# Altium PCB miniBackplane.PcbDoc (part 3 of 24)
Units mil, origin at the board's own origin, x right, y up, seen from the top; angles counter-clockwise.
Board outline 17285.63 x 8582.68 mil, 6 copper layers (Top Layer, Mid-Layer 1, GND, PWR, Mid-Layer 2, Bottom Layer), stack 62.362 mil thick; 519 components, 474 nets, 2434 pads, 1493 vias.
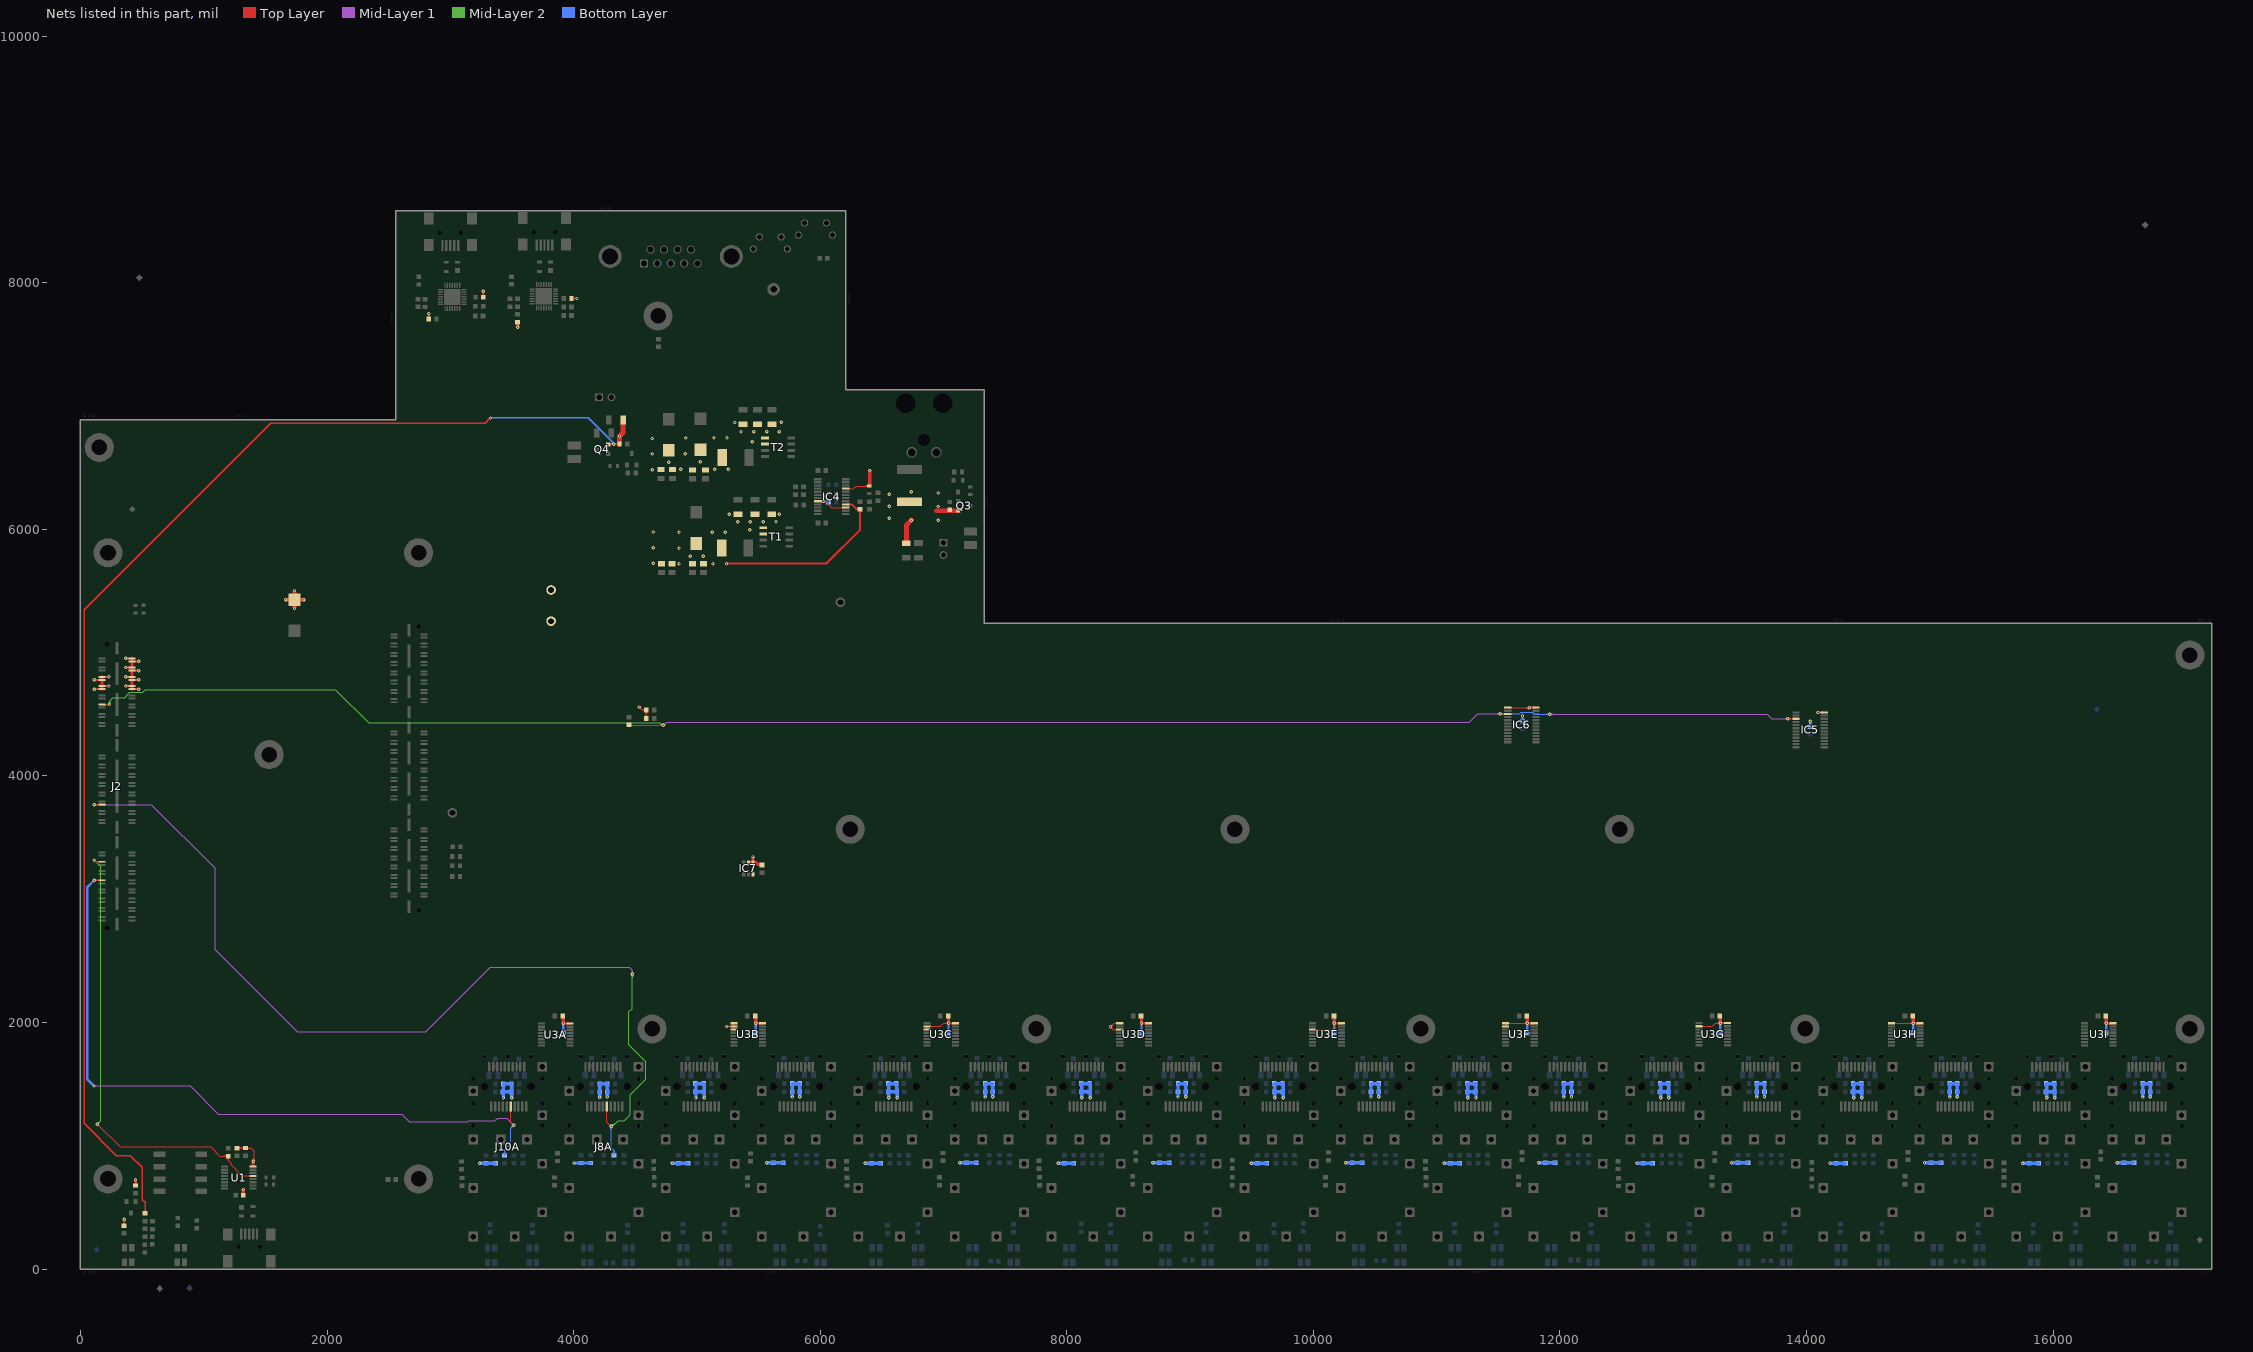
[diagram p7: the nets of this part, all layers, seen from the top]

## Via types
v1: diameter 27.56, hole 11.81, Top Layer to Bottom Layer, tented both sides, 1347 vias
v2: diameter 23.62, hole 11.81, Top Layer to Bottom Layer, tented both sides, 146 vias

## Nets (pads, with @x,y where several pads share a name; then routed paths per layer and width w, separated by ;. In a path a pad name is that pad's centre, name@x,y a point inside that pad or via, vN(x,y) a via of type N, cw(c..) or ccw(c..) an arc to the next point about the centre after c; other vN are vias at no path point) (continued)
+3V3: C1.2 C2.2 C5A.1 C5B.1 C5C.1 C5D.1 C5E.1 C5F.1 C5G.1 C5H.1 C5I.1 C7A.1 C7B.1 C7C.1 C7D.1 C7E.1 C7F.1 C7G.1 C7H.1 C7I.1 C9A.1 C9B.1 C9C.1 C9D.1 C9E.1 C9F.1 C9G.1 C9H.1 C9I.1 C12A.1 C12B.1 C12C.1 C12D.1 C12E.1 C12F.1 C12G.1 C12H.1 C12I.1 C14A.1 C14B.1 C14C.1 C14D.1 C14E.1 C14F.1 C14G.1 C14H.1 C14I.1 C34.2 C35.1 C36.1 C37.1 C39.1 C40.1 C55.2 C58.1 IC4.9 IC5.24 IC6.1 IC6.24 IC7.3 IC7.4 IC7.5 L1A.2 L1B.2 L1C.2 L1D.2 L1E.2 L1F.2 L1G.2 L1H.2 L1I.2 L2A.2 L2B.2 L2C.2 L2D.2 L2E.2 L2F.2 L2G.2 L2H.2 L2I.2 L3A.2 L3B.2 L3C.2 L3D.2 L3E.2 L3F.2 L3G.2 L3H.2 L3I.2 L4A.2 L4B.2 L4C.2 L4D.2 L4E.2 L4F.2 L4G.2 L4H.2 L4I.2 L6.2 pad.@3818,5255 R3.1 R6.1 R7.1 R15A.2 R15B.2 R15C.2 R15D.2 R15E.2 R15F.2 R15G.2 R15H.2 R15I.2 R16A.2 R16B.2 R16C.2 R16D.2 R16E.2 R16F.2 R16G.2 R16H.2 R16I.2 R20A.2 R20B.2 R20C.2 R20D.2 R20E.2 R20F.2 R20G.2 R20H.2 R20I.2 R29A.2 R29B.2 R29C.2 R29D.2 R29E.2 R29F.2 R29G.2 R29H.2 R29I.2 R30A.2 R30B.2 R30C.2 R30D.2 R30E.2 R30F.2 R30G.2 R30H.2 R30I.2 R31.1 R32.2 R38.1 R43.2 R51.2 R52.2 R53.1 R59.2 U1.16 U3A.16 U3B.1 U3B.2 U3B.3 U3B.16 U3C.2 U3C.3 U3C.16 U3D.1 U3D.3 U3D.16 U3E.3 U3E.16 U3F.1 U3F.2 U3F.16 U3G.2 U3G.16 U3H.1 U3H.16 U3I.16 | length 20246.4
  Top Layer w7.87: v1@442,730 v1(447,725) ; R51.2@1271,980.5 1337,980.5 R52.2@1338,981.5 1384.5,981.5 1411,955 1411,875 v1@1400,864 ; v1@1320,647 v1(1321.5,645.5) ; v1@1401.76,883.76 ccw(c1400.47,893.95) 1409.36,888.82 ccw(c1415.37,885.34) v1@1410.25,880.65 ; 1401.73,890.82 ccw(c1412.33,884.71) v1@1404.29,875.48 ; 1406.51,899.1 ccw(c1418.72,892.05) v1@1409.46,881.42 ; R3.1@3267.5,7882 v1(3267.5,7932.5) v1@3268,7933 ; R32.2@3541.92,7668.01 cw(c3536.94,7658.67) 3547.16,7661.41 ; R32.2@3546.44,7680.17 3546.44,7639.56 v1(3547,7639) ; R31.1@3983.5,7872 v1(4028,7872) ; v1(4531.5,4559.06) 4555.12,4535.43 R6.1@4590.55,4535.43 R7.1@4590.55,4464.57 ; v1@4533.42,4559.45 ccw(c4551.84,4563.22) 4546.97,4545.07 ; v1(5242.15,1967.59) U3B.2@5299.98,1967.59 ; U3B.3@5299.98,1942 U3B.2@5299.98,1967.59 ; U3B.1@5299.98,1993.18 U3B.2@5299.98,1967.59 ; IC4.9@6208,6329.91 6270.3,6329.91 6291.06,6350.68 R38.1@6401.3,6350.68 ; U3C.3@6864.98,1942.01 U3C.2@6864.98,1967.6 6975.87,1967.6 7001.46,1993.19 v1@7041.13,1993.19 ; v1@8356.67,1964.18 cw(c8375.08,1960.41) 8370.22,1978.56 ; v1@8356.67,1964.97 ccw(c8375.08,1968.74) 8370.22,1950.58 ; U3D.3@8429.98,1942.01 8377.31,1942.01 v1(8354.74,1964.57) 8383.35,1993.19 U3D.1@8429.98,1993.19 ; U3E.3@9994.98,1942.01 10152.9,1942.01 10171.13,1960.24 v1@10171.13,1993.19 ; U3F.2@11559.55,1967.6 U3F.1@11559.55,1993.19 v1@11735.26,1993.19 ; IC6.1@11577.4,4553.66 v1(11752.32,4553.66) ; U3G.2@13124.55,1967.6 13235.28,1967.6 13260.87,1993.19 v1@13300.69,1993.19 ; U3H.1@14689.55,1993.19 v1@14865.26,1993.19 ; 1306.24,980.5 ccw(c1306.24,947.23) 1282.71,970.75 cw(c1306.24,947.23) 1306.24,980.5 ; 1306.24,980.5 cw(c1306.24,1013.76) 1282.71,990.24 ccw(c1306.24,1013.76) 1306.24,980.5 ; 1373.24,981.5 ccw(c1373.24,948.23) 1349.71,971.75 cw(c1373.24,948.23) 1373.24,981.5 ; 1373.24,981.5 cw(c1373.24,1014.76) 1349.71,991.24 ccw(c1373.24,1014.76) 1373.24,981.5 ; 3267.5,7908.73 ccw(c3243.73,7908.73) 3260.54,7925.54 cw(c3243.73,7908.73) 3267.5,7908.73 ; 3267.5,7908.73 cw(c3291.26,7908.73) 3274.46,7925.54 ccw(c3291.26,7908.73) 3267.5,7908.73 ; 3267.5,7917.24 ccw(c3300.76,7917.24) 3277.24,7893.71 cw(c3300.76,7917.24) 3267.5,7917.24 ; 3267.5,7917.24 cw(c3234.23,7917.24) 3257.75,7893.71 ccw(c3234.23,7917.24) 3267.5,7917.24 ; v1@3539.32,7645.16 ccw(c3525.35,7656.38) 3542.66,7661.01 ; v1@3539.32,7645.16 ccw(c3525.35,7656.38) 3542.66,7661.01 ; v1@3539.32,7645.16 ccw(c3525.35,7656.38) 3542.66,7661.01 ; v1@3542.08,7647.52 ccw(c3534.61,7660.46) 3549.04,7656.59 ; v1@3542.08,7647.52 ccw(c3534.61,7660.46) 3549.04,7656.59 ; v1@3542.08,7647.52 ccw(c3534.61,7660.46) 3549.04,7656.59 ; 3543.24,7658.83 ccw(c3561.23,7663.65) v1@3551.92,7647.52 ; 3543.24,7658.83 ccw(c3561.23,7663.65) v1@3551.92,7647.52 ; 3543.24,7658.83 ccw(c3561.23,7663.65) v1@3551.92,7647.52 ; v1@3546.44,7646.9 ccw(c3513.17,7646.9) 3536.7,7670.42 cw(c3513.17,7646.9) v1@3546.44,7646.9 ; v1@3546.44,7646.9 cw(c3579.71,7646.9) 3556.18,7670.42 ccw(c3579.71,7646.9) v1@3546.44,7646.9 ; 3549.74,7659.21 ccw(c3562.14,7655.89) v1@3553.57,7646.33 ; 3549.74,7659.21 ccw(c3562.14,7655.89) v1@3553.57,7646.33 ; 3549.74,7659.21 ccw(c3562.14,7655.89) v1@3553.57,7646.33 ; 4004.24,7872 ccw(c4004.24,7895.76) 4021.04,7878.96 cw(c4004.24,7895.76) 4004.24,7872 ; 4004.24,7872 cw(c4004.24,7848.24) 4021.04,7865.04 ccw(c4004.24,7848.24) 4004.24,7872 ; 4005,7868.85 cw(c4009.48,7852.1) v1@4021.3,7864.79 ; 4005,7868.85 cw(c4009.48,7852.1) v1@4021.3,7864.79 ; 4005,7868.85 cw(c4009.48,7852.1) v1@4021.3,7864.79 ; 4005,7875.15 ccw(c4009.48,7891.9) v1@4021.3,7879.21 ; 4005,7875.15 ccw(c4009.48,7891.9) v1@4021.3,7879.21 ; 4005,7875.15 ccw(c4009.48,7891.9) v1@4021.3,7879.21 ; 4011.08,7870.48 ccw(c4007.5,7883.84) v1@4019.48,7876.92 ; 4011.08,7870.48 ccw(c4007.5,7883.84) v1@4019.48,7876.92 ; 4011.08,7870.48 ccw(c4007.5,7883.84) v1@4019.48,7876.92 ; 4011.08,7873.52 cw(c4007.5,7860.16) v1@4019.48,7867.08 ; 4011.08,7873.52 cw(c4007.5,7860.16) v1@4019.48,7867.08 ; 4011.08,7873.52 cw(c4007.5,7860.16) v1@4019.48,7867.08 ; v1@4016.76,7872 ccw(c4016.76,7838.73) 3993.24,7862.26 cw(c4016.76,7838.73) v1@4016.76,7872 ; v1@4016.76,7872 cw(c4016.76,7905.27) 3993.24,7881.74 ccw(c4016.76,7905.27) v1@4016.76,7872 ; 4548.3,4542.25 ccw(c4531.5,4525.45) 4531.5,4549.21 cw(c4531.5,4525.45) 4548.3,4542.25 ; 4548.3,4542.25 cw(c4565.1,4559.06) 4541.34,4559.06 ccw(c4565.1,4559.06) 4548.3,4542.25 ; 4557.28,4535.43 ccw(c4557.28,4568.7) 4580.81,4545.18 cw(c4557.28,4568.7) 4557.28,4535.43 ; 4557.28,4535.43 cw(c4557.28,4502.17) 4580.81,4525.69 ccw(c4557.28,4502.17) 4557.28,4535.43 ; 4590.55,4499.8 ccw(c4623.82,4499.8) 4600.29,4476.28 cw(c4623.82,4499.8) 4590.55,4499.8 ; 4590.55,4499.8 cw(c4557.28,4499.8) 4580.81,4476.28 ccw(c4557.28,4499.8) 4590.55,4499.8 ; 4590.55,4500.2 ccw(c4557.28,4500.2) 4580.81,4523.72 cw(c4557.28,4500.2) 4590.55,4500.2 ; 4590.55,4500.2 cw(c4623.82,4500.2) 4600.29,4523.72 ccw(c4623.82,4500.2) 4590.55,4500.2 ; 5265.91,1967.59 ccw(c5265.91,1943.83) 5249.11,1960.63 cw(c5265.91,1943.83) 5265.91,1967.59 ; 5265.91,1967.59 cw(c5265.91,1991.35) 5249.11,1974.55 ccw(c5265.91,1991.35) 5265.91,1967.59 ; 5268.42,1967.59 ccw(c5268.42,1979.47) 5276.82,1971.07 cw(c5268.42,1979.47) 5268.42,1967.59 ; 5268.42,1967.59 cw(c5268.42,1955.71) 5276.82,1964.11 ccw(c5268.42,1955.71) 5268.42,1967.59 ; 5299.98,1953.88 ccw(c5311.86,1953.88) 5303.46,1945.48 cw(c5311.86,1953.88) 5299.98,1953.88 ; 5299.98,1953.88 cw(c5288.1,1953.88) 5296.5,1945.48 ccw(c5288.1,1953.88) 5299.98,1953.88 ; 5299.98,1955.71 ccw(c5288.1,1955.71) 5296.5,1964.11 cw(c5288.1,1955.71) 5299.98,1955.71 ; 5299.98,1955.71 cw(c5311.86,1955.71) 5303.46,1964.11 ccw(c5311.86,1955.71) 5299.98,1955.71 ; 5299.98,1979.47 ccw(c5311.86,1979.47) 5303.46,1971.07 cw(c5311.86,1979.47) 5299.98,1979.47 ; 5299.98,1979.47 cw(c5288.1,1979.47) 5296.5,1971.07 ccw(c5288.1,1979.47) 5299.98,1979.47 ; 5299.98,1981.3 ccw(c5288.1,1981.3) 5296.5,1989.7 cw(c5288.1,1981.3) 5299.98,1981.3 ; 5299.98,1981.3 cw(c5311.86,1981.3) 5303.46,1989.7 ccw(c5311.86,1981.3) 5299.98,1981.3 ; 6240.55,6329.91 ccw(c6240.55,6318.03) 6232.15,6326.43 cw(c6240.55,6318.03) 6240.55,6329.91 ; 6240.55,6329.91 cw(c6240.55,6341.79) 6232.15,6333.39 ccw(c6240.55,6341.79) 6240.55,6329.91 ; 6375.57,6350.68 ccw(c6375.57,6378.38) 6395.15,6358.79 cw(c6375.57,6378.38) 6375.57,6350.68 ; 6375.57,6350.68 cw(c6375.57,6330.85) 6389.59,6344.87 ccw(c6375.57,6330.85) 6375.57,6350.68 ; 6864.98,1953.89 ccw(c6876.86,1953.89) 6868.46,1945.49 cw(c6876.86,1953.89) 6864.98,1953.89 ; 6864.98,1953.89 cw(c6853.1,1953.89) 6861.5,1945.49 ccw(c6853.1,1953.89) 6864.98,1953.89 ; 6864.98,1955.72 ccw(c6853.1,1955.72) 6861.5,1964.12 cw(c6853.1,1955.72) 6864.98,1955.72 ; 6864.98,1955.72 cw(c6876.86,1955.72) 6868.46,1964.12 ccw(c6876.86,1955.72) 6864.98,1955.72 ; 6896.55,1967.6 ccw(c6896.55,1955.72) 6888.15,1964.12 cw(c6896.55,1955.72) 6896.55,1967.6 ; 6896.55,1967.6 cw(c6896.55,1979.48) 6888.15,1971.08 ccw(c6896.55,1979.48) 6896.55,1967.6 ; v1@8364.58,1964.57 ccw(c8388.34,1964.57) 8371.54,1947.77 ; v1@8364.58,1964.57 cw(c8388.34,1964.57) 8371.54,1981.38 ; v1@8364.58,1964.57 ccw(c8388.34,1964.57) 8371.54,1947.77 ; v1@8364.58,1964.57 cw(c8388.34,1964.57) 8371.54,1981.38 ; 8371.54,1947.77 ccw(c8354.74,1930.97) 8354.74,1954.73 cw(c8354.74,1930.97) 8371.54,1947.77 ; 8371.54,1981.38 cw(c8354.74,1998.18) 8354.74,1974.42 ccw(c8354.74,1998.18) 8371.54,1981.38 ; 8398.42,1942.01 ccw(c8398.42,1953.89) 8406.82,1945.49 cw(c8398.42,1953.89) 8398.42,1942.01 ; 8398.42,1942.01 cw(c8398.42,1930.13) 8406.82,1938.53 ccw(c8398.42,1930.13) 8398.42,1942.01 ; 8398.42,1993.19 ccw(c8398.42,2005.07) 8406.82,1996.67 cw(c8398.42,2005.07) 8398.42,1993.19 ; 8398.42,1993.19 cw(c8398.42,1981.31) 8406.82,1989.71 ccw(c8398.42,1981.31) 8398.42,1993.19 ; 10026.55,1942.01 ccw(c10026.55,1930.13) 10018.15,1938.53 cw(c10026.55,1930.13) 10026.55,1942.01 ; 10026.55,1942.01 cw(c10026.55,1953.89) 10018.15,1945.49 ccw(c10026.55,1953.89) 10026.55,1942.01 ; 10171.13,1969.86 ccw(c10147.36,1969.86) 10164.17,1986.66 cw(c10147.36,1969.86) 10171.13,1969.86 ; 10171.13,1969.86 cw(c10194.89,1969.86) 10178.09,1986.66 ccw(c10194.89,1969.86) 10171.13,1969.86 ; 11559.55,1979.48 ccw(c11571.43,1979.48) 11563.03,1971.08 cw(c11571.43,1979.48) 11559.55,1979.48 ; 11559.55,1979.48 cw(c11547.67,1979.48) 11556.07,1971.08 ccw(c11547.67,1979.48) 11559.55,1979.48 ; 11559.55,1981.31 ccw(c11547.67,1981.31) 11556.07,1989.71 cw(c11547.67,1981.31) 11559.55,1981.31 ; 11559.55,1981.31 cw(c11571.43,1981.31) 11563.03,1989.71 ccw(c11571.43,1981.31) 11559.55,1981.31 ; 11591.12,1993.19 ccw(c11591.12,1981.31) 11582.72,1989.71 cw(c11591.12,1981.31) 11591.12,1993.19 ; 11591.12,1993.19 cw(c11591.12,2005.07) 11582.72,1996.67 ccw(c11591.12,2005.07) 11591.12,1993.19 ; 11609.95,4553.66 ccw(c11609.95,4541.78) 11601.55,4550.18 cw(c11609.95,4541.78) 11609.95,4553.66 ; 11609.95,4553.66 cw(c11609.95,4565.54) 11601.55,4557.14 ccw(c11609.95,4565.54) 11609.95,4553.66 ; 11728.56,4553.66 ccw(c11728.56,4577.42) 11745.36,4560.62 cw(c11728.56,4577.42) 11728.56,4553.66 ; 11728.56,4553.66 cw(c11728.56,4529.9) 11745.36,4546.7 ccw(c11728.56,4529.9) 11728.56,4553.66 ; 14721.12,1993.19 ccw(c14721.12,1981.31) 14712.72,1989.71 cw(c14721.12,1981.31) 14721.12,1993.19 ; 14721.12,1993.19 cw(c14721.12,2005.07) 14712.72,1996.67 ccw(c14721.12,2005.07) 14721.12,1993.19 ; 1300.35,980.5 ccw(c1300.35,1017.18) 1326.29,991.24 cw(c1300.35,1017.18) 1300.35,980.5 ; 1305.18,980.5 cw(c1305.18,950.64) 1326.29,971.75 ccw(c1305.18,950.64) 1305.18,980.5 ; v1@1396.04,880.96 ccw(c1359.92,917.08) 1411,917.08 cw(c1359.92,917.08) v1@1396.04,880.96 ; v1@1401.61,875.39 ccw(c1378.93,898.07) 1411,898.07 cw(c1378.93,898.07) v1@1401.61,875.39 ; v1@3540.04,7645.96 ccw(c3524.59,7661.41) 3546.44,7661.41 cw(c3524.59,7661.41) v1@3540.04,7645.96 ; R32.2@3546.44,7664.11 ccw(c3572.11,7664.11) 3553.96,7645.96 cw(c3572.11,7664.11) R32.2@3546.44,7664.11 ; 6356.56,6350.68 ccw(c6356.56,6397.39) 6389.59,6364.36 cw(c6356.56,6397.39) 6356.56,6350.68 ; 7016.32,1993.19 ccw(c7016.32,2018.43) 7034.17,2000.58 cw(c7016.32,2018.43) 7016.32,1993.19 ; 7018.41,1993.19 cw(c7018.41,1970.91) 7034.17,1986.66 ccw(c7018.41,1970.91) 7018.41,1993.19 ; 11710.89,1993.19 ccw(c11710.89,2018.43) 11728.73,2000.58 cw(c11710.89,2018.43) 11710.89,1993.19 ; 11712.98,1993.19 cw(c11712.98,1970.91) 11728.73,1986.66 ccw(c11712.98,1970.91) 11712.98,1993.19 ; U3G.2@13151.09,1972.98 ccw(c13164.08,1985.96) 13164.08,1967.6 cw(c13164.08,1985.96) U3G.2@13151.09,1972.98 ; 13275.89,1993.19 ccw(c13275.89,2018.43) 13293.73,2000.58 cw(c13275.89,2018.43) 13275.89,1993.19 ; 13277.98,1993.19 cw(c13277.98,1970.91) 13293.73,1986.66 ccw(c13277.98,1970.91) 13277.98,1993.19 ; 14840.89,1993.19 ccw(c14840.89,2018.43) 14858.73,2000.58 cw(c14840.89,2018.43) 14840.89,1993.19 ; 14842.98,1993.19 cw(c14842.98,1970.91) 14858.73,1986.66 ccw(c14842.98,1970.91) 14842.98,1993.19
  Top Layer w11.81: R53.1@354,352.5 v1(354,404) ; R43.2@2825.5,7707 v1(2825.5,7750.5) v1@2830,7755 ; IC7.3@5454.97,3202.61 IC7.4@5454.97,3297.09 ; v1(5454.97,3342.37) v1@5456.94,3344.34 ; C55.2@5523.87,3281.35 C55.2@5527.8,3277.41 ; 354,381.01 ccw(c382.51,381.01) 362.35,360.85 cw(c382.51,381.01) 354,381.01 ; 354,381.01 cw(c325.49,381.01) 345.65,360.85 ccw(c325.49,381.01) 354,381.01 ; 354,384.99 ccw(c334.99,384.99) 348.43,398.43 cw(c334.99,384.99) 354,384.99 ; 354,384.99 cw(c373.01,384.99) 359.57,398.43 ccw(c373.01,384.99) 354,384.99 ; v1@2819.49,7745.42 cw(c2805.52,7733.6) 2823.19,7728.86 ; v1@2819.49,7745.42 cw(c2805.52,7733.6) 2823.19,7728.86 ; v1@2819.49,7745.42 cw(c2805.52,7733.6) 2823.19,7728.86 ; 2825.5,7731.49 ccw(c2806.49,7731.49) 2819.94,7744.94 cw(c2806.49,7731.49) 2825.5,7731.49 ; 2825.5,7731.49 cw(c2844.51,7731.49) 2831.07,7744.94 ccw(c2844.51,7731.49) 2825.5,7731.49 ; v1@2825.5,7737.48 ccw(c2854.02,7737.48) 2833.86,7717.32 cw(c2854.02,7737.48) v1@2825.5,7737.48 ; v1@2825.5,7737.48 cw(c2796.99,7737.48) 2817.15,7717.32 ccw(c2796.99,7737.48) v1@2825.5,7737.48 ; 2827.81,7728.86 cw(c2845.49,7733.6) v1@2831.52,7745.42 ; 2827.81,7728.86 cw(c2845.49,7733.6) v1@2831.52,7745.42 ; 2827.81,7728.86 cw(c2845.49,7733.6) v1@2831.52,7745.42 ; 5454.97,3224.16 ccw(c5471.6,3224.16) 5459.84,3212.4 cw(c5471.6,3224.16) 5454.97,3224.16 ; 5454.97,3224.16 cw(c5438.34,3224.16) 5450.1,3212.4 ccw(c5438.34,3224.16) 5454.97,3224.16 ; 5454.97,3275.54 ccw(c5438.34,3275.54) 5450.1,3287.3 cw(c5438.34,3275.54) 5454.97,3275.54 ; 5454.97,3275.54 cw(c5471.6,3275.54) 5459.84,3287.3 ccw(c5471.6,3275.54) 5454.97,3275.54
  Top Layer w15.75: v1@3914.67,1991.53 U3A.16@3970.81,1991.53 ; v1@5476.13,1993.18 U3B.16@5532.27,1993.18 ; v1@7041.13,1993.19 U3C.16@7097.27,1993.19 ; v1@8606.13,1993.19 U3D.16@8662.27,1993.19 ; v1@10171.13,1993.19 U3E.16@10227.27,1993.19 ; v1@11736.13,1993.19 U3F.16@11791.83,1993.19 ; v1(11752.32,4553.66) IC6.24@11805.75,4553.66 ; v1@13302.59,1995.09 U3G.16@13360.21,1995.09 ; v1(14089.84,4514.29) IC5.24@14143.27,4514.29 ; v1@14865.69,1993.19 U3H.16@14921.83,1993.19 ; v1@16430.69,1993.19 U3I.16@16486.83,1993.19 ; 11766.58,4553.66 ccw(c11766.58,4539.4) 11756.5,4549.49 cw(c11766.58,4539.4) 11766.58,4553.66 ; 11766.58,4553.66 cw(c11766.58,4567.92) 11756.5,4557.84 ccw(c11766.58,4567.92) 11766.58,4553.66 ; 14104.1,4514.29 ccw(c14104.1,4500.03) 14094.02,4510.12 cw(c14104.1,4500.03) 14104.1,4514.29 ; 14104.1,4514.29 cw(c14104.1,4528.55) 14094.02,4518.47 ccw(c14104.1,4528.55) 14104.1,4514.29 ; v1@3918.84,1996.14 ccw(c3929.97,2007.26) 3929.97,1991.53 cw(c3929.97,2007.26) v1@3918.84,1996.14 ; v1@5480.3,1997.79 ccw(c5491.43,2008.92) 5491.43,1993.18 cw(c5491.43,2008.92) v1@5480.3,1997.79 ; v1@7045.3,1997.8 ccw(c7056.43,2008.92) 7056.43,1993.19 cw(c7056.43,2008.92) v1@7045.3,1997.8 ; v1@8610.3,1997.8 ccw(c8621.43,2008.92) 8621.43,1993.19 cw(c8621.43,2008.92) v1@8610.3,1997.8 ; v1@10175.3,1997.8 ccw(c10186.43,2008.92) 10186.43,1993.19 cw(c10186.43,2008.92) v1@10175.3,1997.8 ; v1@11739.87,1997.8 ccw(c11751,2008.92) 11751,1993.19 cw(c11751,2008.92) v1@11739.87,1997.8 ; v1@13304.87,1989.45 cw(c13318.49,1975.83) 13318.49,1995.09 ccw(c13318.49,1975.83) v1@13304.87,1989.45 ; v1@14869.87,1997.8 ccw(c14881,2008.92) 14881,1993.19 cw(c14881,2008.92) v1@14869.87,1997.8 ; v1@16434.87,1997.8 ccw(c16446,2008.92) 16446,1993.19 cw(c16446,2008.92) v1@16434.87,1997.8
  Top Layer w19.68: R59.2@447,677.5 v1(447,725) ; 447,696.51 ccw(c466.01,696.51) 452.57,683.06 cw(c466.01,696.51) 447,696.51 ; 447,696.51 cw(c427.99,696.51) 441.43,683.06 ccw(c427.99,696.51) 447,696.51
  Top Layer w27.56: C58.1@1321.5,599 v1(1321.5,645.5) ; v1@1400,864 1400,840.14 U1.16@1401.14,839 ; v1(3914.67,1991.96) C9A.1@3914.67,2048.46 ; IC7.5@5425.44,3297.09 IC7.4@5454.97,3297.09 ; v1(5454.97,3342.37) IC7.4@5454.97,3297.09 ; v1(5476.13,1993.61) C9B.1@5476.13,2050.11 ; C55.2@5523.87,3281.35 5498.28,3281.35 5482.53,3297.09 IC7.4@5454.97,3297.09 ; R38.1@6401.3,6363.95 v1(6401.3,6476.66) ; v1(7041.13,1993.62) C9C.1@7041.13,2050.12 ; v1(8606.13,1993.62) C9D.1@8606.13,2050.12 ; v1(10171.13,1993.62) C9E.1@10171.13,2050.12 ; v1(11735.69,1993.62) C9F.1@11735.69,2050.12 ; v1(13300.69,1993.62) C9G.1@13300.69,2050.12 ; v1(14865.69,1993.62) C9H.1@14865.69,2050.12 ; v1(16430.69,1993.62) C9I.1@16430.69,2050.12 ; C9A.1@3907.69,2047.5 cw(c3890.82,2030.64) 3914.67,2030.64 ccw(c3890.82,2030.64) C9A.1@3907.69,2047.5 ; C9B.1@5469.14,2049.15 cw(c5452.28,2032.29) 5476.13,2032.29 ccw(c5452.28,2032.29) C9B.1@5469.14,2049.15 ; 5505.43,3281.35 cw(c5505.43,3256.02) 5523.34,3273.93 ccw(c5505.43,3256.02) 5505.43,3281.35 ; C9C.1@7034.14,2049.16 cw(c7017.28,2032.3) 7041.13,2032.3 ccw(c7017.28,2032.3) C9C.1@7034.14,2049.16 ; C9D.1@8599.14,2049.16 cw(c8582.28,2032.3) 8606.13,2032.3 ccw(c8582.28,2032.3) C9D.1@8599.14,2049.16 ; C9E.1@10164.14,2049.16 cw(c10147.28,2032.3) 10171.13,2032.3 ccw(c10147.28,2032.3) C9E.1@10164.14,2049.16 ; C9F.1@11728.71,2049.16 cw(c11711.85,2032.3) 11735.69,2032.3 ccw(c11711.85,2032.3) C9F.1@11728.71,2049.16 ; C9G.1@13293.71,2049.16 cw(c13276.85,2032.3) 13300.69,2032.3 ccw(c13276.85,2032.3) C9G.1@13293.71,2049.16 ; C9H.1@14858.71,2049.16 cw(c14841.85,2032.3) 14865.69,2032.3 ccw(c14841.85,2032.3) C9H.1@14858.71,2049.16 ; C9I.1@16423.71,2049.16 cw(c16406.85,2032.3) 16430.69,2032.3 ccw(c16406.85,2032.3) C9I.1@16423.71,2049.16
  Bottom Layer w19.68: v1(3914.67,1991.96) 3914.67,1918.46 R20A.2@3919.23,1913.9 ; R20B.2@5476.13,1915.99 v1(5476.13,1993.61) ; R20C.2@7041.13,1916 v1(7041.13,1993.62) ; R20D.2@8606.13,1916 v1(8606.13,1993.62) ; R20E.2@10171.13,1916 v1(10171.13,1993.62) ; C2.2@11696.57,4444.41 v1(11696.57,4487.91) ; R20F.2@11735.69,1916 v1(11735.69,1993.62) ; R20G.2@13300.69,1916 v1(13300.69,1993.62) ; C1.2@14029.09,4400.04 v1(14029.09,4443.54) ; R20H.2@14865.69,1916 v1(14865.69,1993.62) ; R20I.2@16430.69,1916 v1(16430.69,1993.62) ; 11696.57,4465.8 ccw(c11717.96,4465.8) 11702.84,4450.67 cw(c11717.96,4465.8) 11696.57,4465.8 ; 11696.57,4465.8 cw(c11675.19,4465.8) 11690.31,4450.67 ccw(c11675.19,4465.8) 11696.57,4465.8 ; 14029.09,4421.43 ccw(c14050.48,4421.43) 14035.36,4406.3 cw(c14050.48,4421.43) 14029.09,4421.43 ; 14029.09,4421.43 cw(c14007.71,4421.43) 14022.83,4406.3 ccw(c14007.71,4421.43) 14029.09,4421.43 ; 3914.67,1945.88 ccw(c3949.24,1945.88) 3924.8,1921.43 cw(c3949.24,1945.88) 3914.67,1945.88 ; R20B.2@5470.12,1923.09 ccw(c5455.61,1937.59) 5476.13,1937.59 cw(c5455.61,1937.59) R20B.2@5470.12,1923.09 ; 5476.13,1935.46 ccw(c5493.63,1935.46) 5481.25,1923.09 cw(c5493.63,1935.46) 5476.13,1935.46 ; R20C.2@7035.12,1923.1 ccw(c7020.61,1937.6) 7041.13,1937.6 cw(c7020.61,1937.6) R20C.2@7035.12,1923.1 ; 7041.13,1935.47 ccw(c7058.63,1935.47) 7046.25,1923.1 cw(c7058.63,1935.47) 7041.13,1935.47 ; R20D.2@8600.12,1923.1 ccw(c8585.61,1937.6) 8606.13,1937.6 cw(c8585.61,1937.6) R20D.2@8600.12,1923.1 ; 8606.13,1935.47 ccw(c8623.63,1935.47) 8611.25,1923.1 cw(c8623.63,1935.47) 8606.13,1935.47 ; R20E.2@10165.12,1923.1 ccw(c10150.61,1937.6) 10171.13,1937.6 cw(c10150.61,1937.6) R20E.2@10165.12,1923.1 ; 10171.13,1935.47 ccw(c10188.63,1935.47) 10176.25,1923.1 cw(c10188.63,1935.47) 10171.13,1935.47 ; R20F.2@11729.68,1923.1 ccw(c11715.18,1937.6) 11735.69,1937.6 cw(c11715.18,1937.6) R20F.2@11729.68,1923.1 ; 11735.69,1935.47 ccw(c11753.2,1935.47) 11740.82,1923.1 cw(c11753.2,1935.47) 11735.69,1935.47 ; R20G.2@13294.68,1923.1 ccw(c13280.18,1937.6) 13300.69,1937.6 cw(c13280.18,1937.6) R20G.2@13294.68,1923.1 ; 13300.69,1935.47 ccw(c13318.2,1935.47) 13305.82,1923.1 cw(c13318.2,1935.47) 13300.69,1935.47 ; R20H.2@14859.68,1923.1 ccw(c14845.18,1937.6) 14865.69,1937.6 cw(c14845.18,1937.6) R20H.2@14859.68,1923.1 ; 14865.69,1935.47 ccw(c14883.2,1935.47) 14870.82,1923.1 cw(c14883.2,1935.47) 14865.69,1935.47 ; R20I.2@16424.68,1923.1 ccw(c16410.18,1937.6) 16430.69,1937.6 cw(c16410.18,1937.6) R20I.2@16424.68,1923.1 ; 16430.69,1935.47 ccw(c16448.2,1935.47) 16435.82,1923.1 cw(c16448.2,1935.47) 16430.69,1935.47